# Altium PCB RFC_MB.PcbDoc (part 32 of 37) (continued)
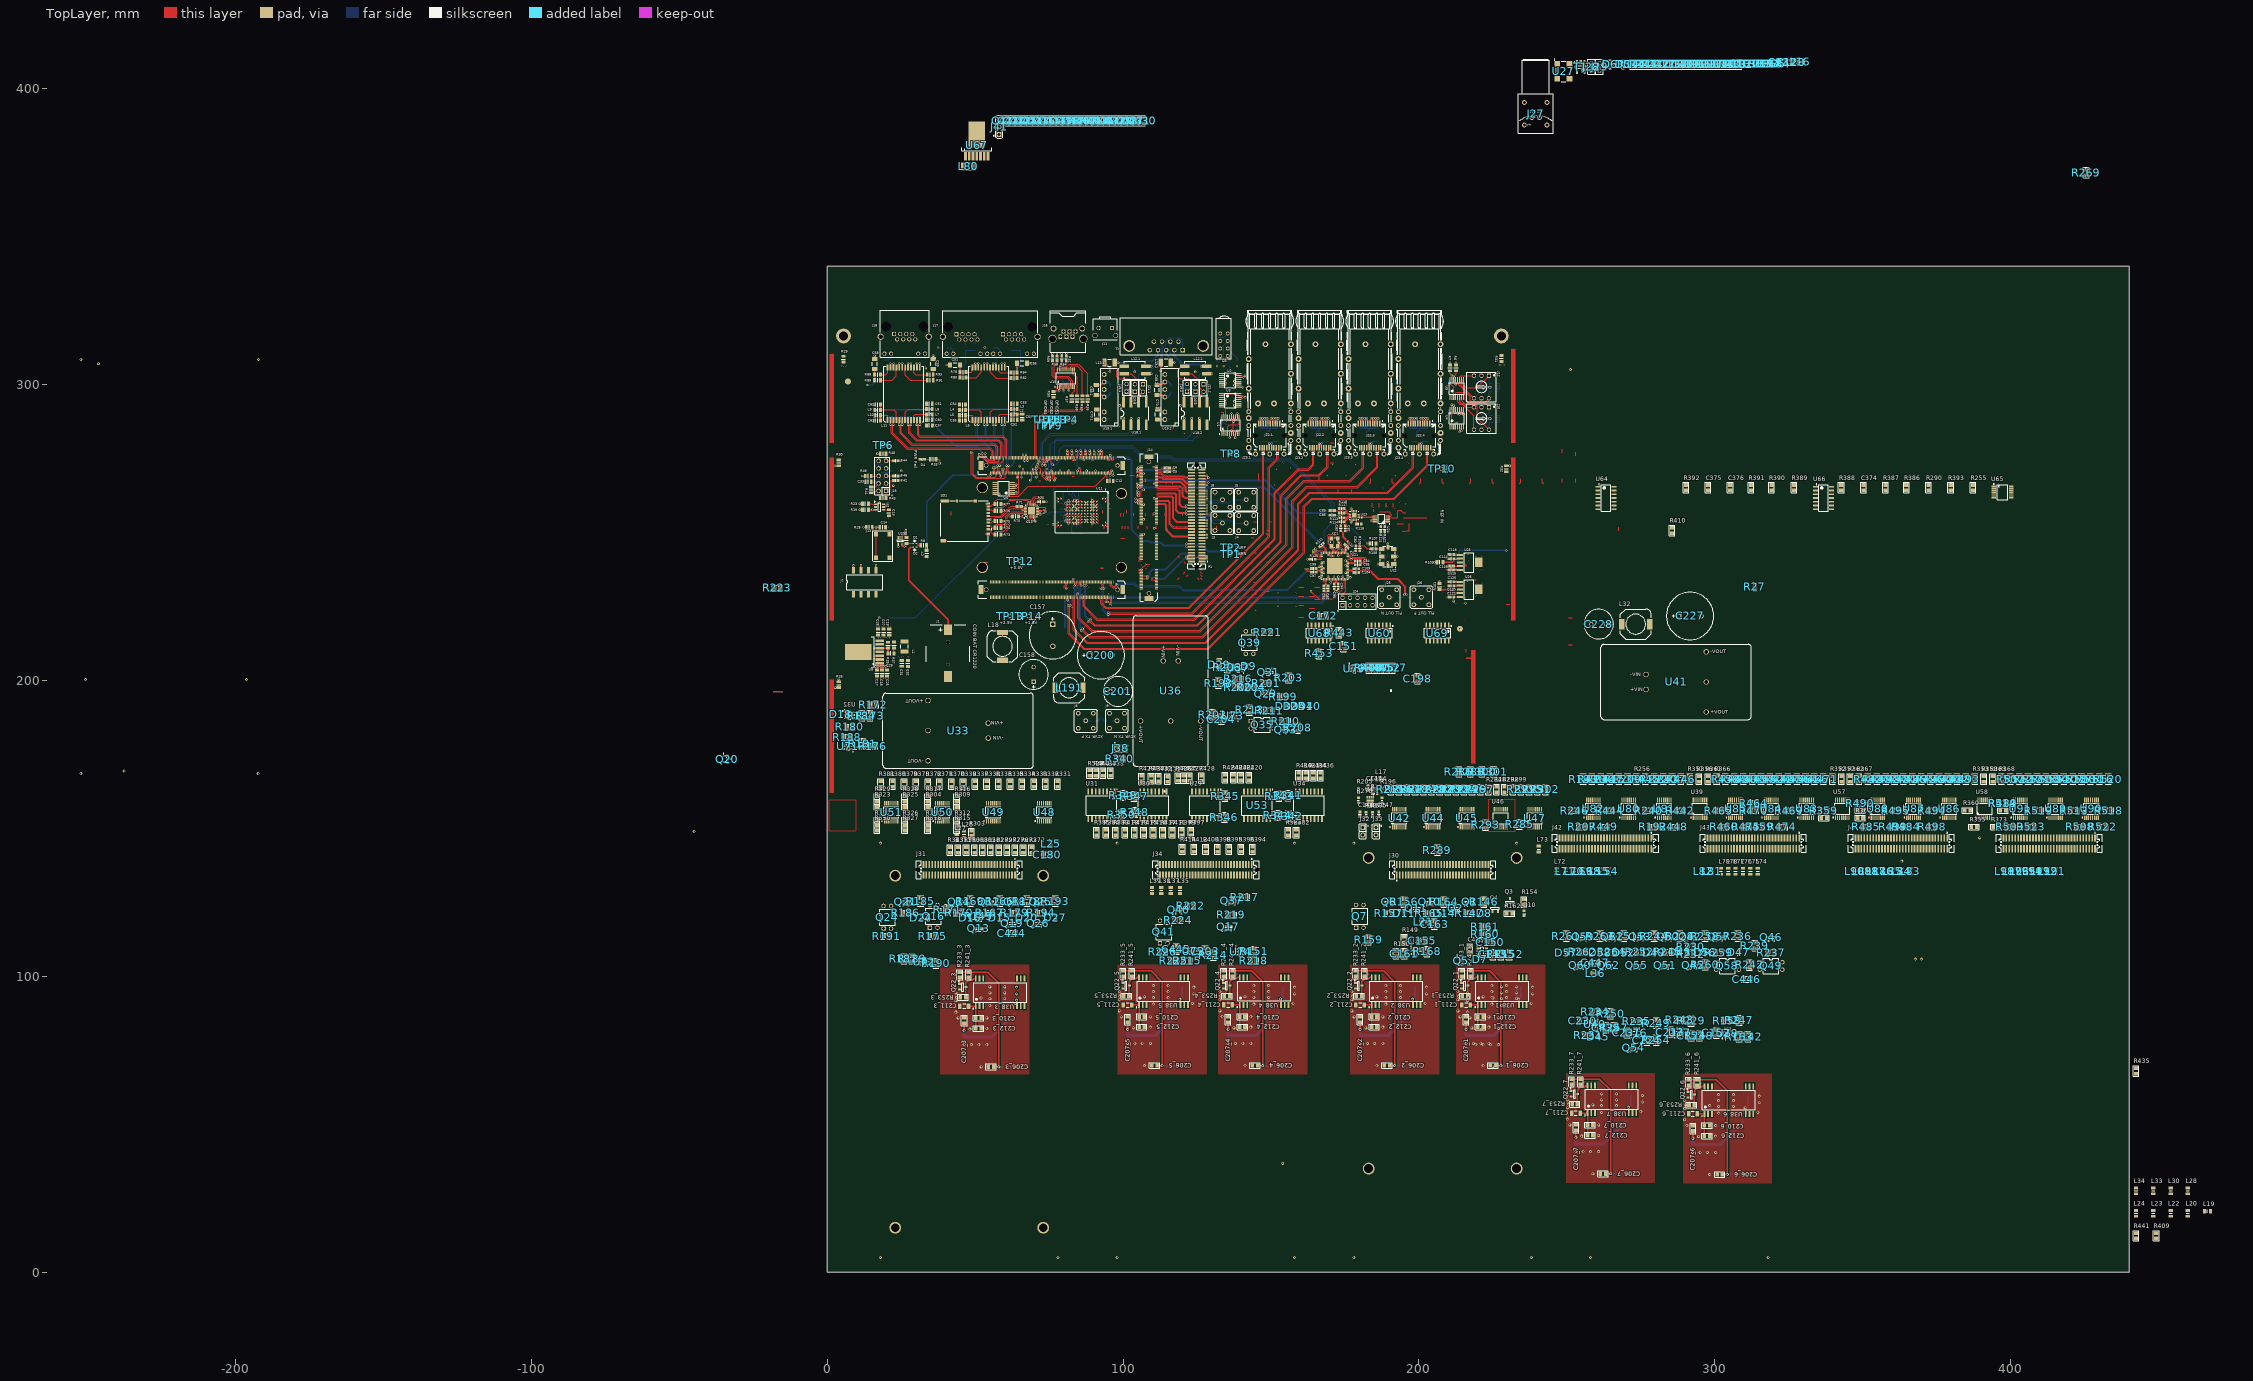
[diagram p0: TopLayer view]
## Components (designator, comment, footprint, x,y, rotation, side; value= is the part's Value field where it differs from the comment) (continued)
R428 "DNP" SMD0805RES 126.502,165.944 r90 top
R429 "DNP" SMD0805RES 106.252,165.848 r90 top
R430 "DNP" SMD0805RES 109.502,165.848 r90 top
R431 "DNP" SMD0805RES 112.002,165.848 r90 top
R432 "DNP" SMD0805RES 114.998,167.602 r270 top
R433 "DNP" SMD0805RES 95.752,167.648 r90 top
R434 "DNP" SMD0805RES 164.248,168.852 r270 top
R435 "1k" SMD0805RES 442.349,66.973 r90 top
R436 "DNP" SMD0805RES 166.748,168.852 r270 top
R437 "120" SMD0805RES 285.587,165.648 r90 top
R438 "120" SMD0805RES 258.51,165.648 r90 top
R439 "DNP" SMD0805RES 93.252,167.648 r90 top
R440 "DNP" SMD0805RES 90.752,167.648 r90 top
R441 "10k" SMD0805RES 442.349,11.273 r90 top
R442 "10k" SMD0805RES 289.352,156.002 r180 top
R443 "100k" SMD0805RES 172.998,217.152 r270 top
R444 "10k" SMD0805RES 265.402,156.002 r180 top
R445 "120" SMD0805RES 276.561,165.648 r90 top
R446 "120" SMD0805RES 288.595,165.648 r90 top
R447 "120" SMD0805RES 264.527,165.648 r90 top
R448 "10k" SMD0805RES 287.152,150.502 r180 top
R449 "10k" SMD0805RES 263.502,150.502 r180 top
R450 "0" SMD0805RES 263.398,153.502 r0 bottom
R451 "0" SMD0805RES 263.398,156.002 r0 bottom
R452 "10k" SMD0805RES 189.048,205.198 r270 top
R453 "1k" SMD0805RES 166.248,210.102 r270 top
R454 "0" SMD0805RES 253.602,155.998 r180 bottom
R455 "0" SMD0805RES 251.598,153.502 r0 bottom
R456 "120" SMD0805RES 327.705,165.648 r90 top
R457 "120" SMD0805RES 315.671,165.648 r90 top
R458 "120" SMD0805RES 303.637,165.648 r90 top
R459 "10k" SMD0805RES 314.098,150.498 r0 top
R460 "10k" SMD0805RES 302.148,150.498 r0 top
R461 "120" SMD0805RES 330.714,165.648 r90 top
R462 "120" SMD0805RES 318.676,167.652 r270 top
R463 "120" SMD0805RES 306.646,165.648 r90 top
R464 "10k" SMD0805RES 312.098,158.498 r0 top
R465 "10k" SMD0805RES 300.348,156 r0 top
R466 "120" SMD0805RES 333.722,165.648 r90 top
R467 "120" SMD0805RES 324.697,165.648 r90 top
R468 "120" SMD0805RES 309.654,165.648 r90 top
R469 "10k" SMD0805RES 326.102,156.002 r180 top
R470 "10k" SMD0805RES 314.102,156.002 r180 top
R471 "120" SMD0805RES 336.731,165.648 r90 top
R472 "120" SMD0805RES 321.688,165.648 r90 top
R473 "120" SMD0805RES 312.663,165.648 r90 top
R474 "10k" SMD0805RES 323.852,150.502 r180 top
R475 "10k" SMD0805RES 311.652,150.502 r180 top
R476 "0" SMD0805RES 312.098,153.502 r0 bottom
R477 "0" SMD0805RES 312.098,156.002 r0 bottom
R478 "0" SMD0805RES 302.352,155.998 r180 bottom
R479 "0" SMD0805RES 300.348,153.502 r0 bottom
R480 "120" SMD0805RES 375.841,165.648 r90 top
R481 "120" SMD0805RES 363.807,165.648 r90 top
R482 "120" SMD0805RES 351.773,165.648 r90 top
R483 "120" SMD0805RES 378.849,165.648 r90 top
R484 "10k" SMD0805RES 363.598,150.498 r0 top
R485 "10k" SMD0805RES 350.148,150.498 r0 top
R486 "120" SMD0805RES 366.815,165.648 r90 top
R487 "120" SMD0805RES 354.781,165.648 r90 top
R488 "120" SMD0805RES 381.858,165.648 r90 top
R489 "10k" SMD0805RES 396.398,158.498 r0 top
R490 "10k" SMD0805RES 348.148,158.498 r0 top
R491 "120" SMD0805RES 369.824,165.648 r90 top
R492 "120" SMD0805RES 357.79,165.648 r90 top
R493 "120" SMD0805RES 384.866,165.648 r90 top
R494 "10k" SMD0805RES 374.402,156.002 r180 top
R495 "10k" SMD0805RES 362.152,156.002 r180 top
R496 "120" SMD0805RES 372.832,165.648 r90 top
R497 "120" SMD0805RES 360.798,165.648 r90 top
R498 "10k" SMD0805RES 374.402,150.502 r180 top
R499 "10k" SMD0805RES 361.352,150.502 r180 top
R500 "0" SMD0805RES 360.148,153.502 r0 bottom
R501 "0" SMD0805RES 360.148,156.002 r0 bottom
R502 "0" SMD0805RES 350.152,158.498 r180 bottom
R503 "0" SMD0805RES 350.148,150.502 r0 bottom
R504 "120" SMD0805RES 414.951,165.648 r90 top
R505 "120" SMD0805RES 411.942,165.648 r90 top
R506 "120" SMD0805RES 423.976,165.648 r90 top
R507 "120" SMD0805RES 399.908,165.648 r90 top
R508 "10k" SMD0805RES 422.398,150.498 r0 top
R509 "10k" SMD0805RES 398.898,150.498 r0 top
R510 "120" SMD0805RES 417.959,165.648 r90 top
R511 "120" SMD0805RES 426.985,165.648 r90 top
R512 "120" SMD0805RES 402.917,165.648 r90 top
R513 "10k" SMD0805RES 420.398,155.998 r0 top
R514 "10k" SMD0805RES 396.348,158.498 r0 top
R515 "120" SMD0805RES 420.968,165.648 r90 top
R516 "120" SMD0805RES 429.993,165.648 r90 top
R517 "120" SMD0805RES 405.925,165.648 r90 top
R518 "10k" SMD0805RES 434.102,156.002 r180 top
R519 "10k" SMD0805RES 410.402,156.002 r180 top
R520 "120" SMD0805RES 433.002,165.648 r90 top
R521 "120" SMD0805RES 408.934,165.648 r90 top
R522 "10k" SMD0805RES 432.152,150.502 r180 top
R523 "10k" SMD0805RES 407.902,150.502 r180 top
R524 "0" SMD0805RES 408.398,153.502 r0 bottom
R525 "0" SMD0805RES 408.398,156.002 r0 bottom
R526 "0" SMD0805RES 398.352,158.498 r180 bottom
R527 "0" SMD0805RES 396.348,153.502 r0 bottom
R528 "DNP" SMD0805RES 88.752,167.648 r90 top
SD1 "DM3AT-SF-PEJM5" SD_HRS-DM3AT-8_V 46.825,253.925 r270 top
T1 "TC1-1T+" XFMR_MINI-CIRCUITS_AT224 254.675,407.306 r0 top value=1:1
TP1 "test point" TEST_POINT 136.3,242.675 r0 top
TP2 "test point" TEST_POINT 136.3,244.775 r0 top
TP3 "test point" TEST_POINT 77.725,288 r90 top
TP4 "test point" TEST_POINT 81.425,288 r90 top
TP5 "test point" TEST_POINT 75.8,288 r90 top
TP6 "test point" TEST_POINT 18.975,279.4 r90 top
TP7 "test point" TEST_POINT 73.625,286.075 r90 top
TP8 "test point" TEST_POINT 136.35,276.625 r90 top
TP9 "test point" TEST_POINT 76.05,286.075 r90 top
TP10 "test point" TEST_POINT 207.625,271.475 r90 top
TP11 "test point" TEST_POINT 73.875,288 r90 top
TP12 "test point" TEST_POINT 65.275,240.2 r90 top
TP13 "test point" TEST_POINT 61.8,221.65 r90 top
TP14 "test point" TEST_POINT 68.15,221.65 r0 top
U1 "PCA9544APW" SOP65P640X110-20N 136.325,286.175 r90 top
U2 "PCA9534PW" SOP65P640X110-16N 136.175,301.375 r0 top
U3 "PCA9534PW" SOP65P640X110-16N 136.175,294.6 r0 top
U4 "PCA9534PW" SOP65P640X110-16N 212.725,288.6 r90 top
U5 "PCA9534PW" SOP65P640X110-16N 212.725,298.625 r90 top
U6 "SN74LVC04APW" SOP65P640X110-14N 59.64,264.84 r180 top
U7 "TPS3808G33QDBVRQ1" SOT95P280X100-6N 17.685,258.585 r0 top
U8 "LMZ10504EXT" TO-PMOD7 11.71,209.61 r180 top
U9 "IP4220CZ6" SOT95P285X110-6N 14.135,266.56 r0 bottom
U10 "ADM3222ARUZ" SOP65P640X110-20N 80.71,302.11 r90 top value=ADM3222
U11 "MTFC8GACAEDQ-AAT TR" BGA100C100P10X17_1400X1800X120 94.05,261.375 r270 top
U12 "TXS02612RTWR" QFN50P400X400X80-25N-S245 69.025,257.3 r90 top
U13 "IP4220CZ6" SOT95P285X110-6N 52.075,288.285 r0 bottom
U14 "IP4220CZ6" SOT95P285X110-6N 58.015,288.285 r0 bottom
U15 "IP4220CZ6" SOT95P285X110-6N 23.38,288.285 r0 bottom
U16 "IP4220CZ6" SOT95P285X110-6N 29.32,288.285 r0 bottom
U17.1 "SM712" SOT95P240X110-3N 104.15,294.025 r270 bottom (schematic designator U17)
U17.2 "SM712" SOT95P240X110-3N 124.625,294.025 r270 bottom (schematic designator U17)
U18.1 "ISO1050DU" SOP8 104,290.175 r90 top (schematic designator U18)
U18.2 "ISO1050DU" SOP8 124.475,290.175 r90 top (schematic designator U18)
U19.1 "AM1D-0505S-N" SIP-7 93.624,288.135 r90 top (schematic designator U19)
U19.2 "AM1D-0505S-N" SIP-7 114.099,288.135 r90 top (schematic designator U19)
U20 "TPS79733DCK" SOT65P210X110-5N 24.65,247.225 r270 top
U21 "Si5395A-A-GM" QFN50P900X900X100-65N-S530 171.525,238.675 r270 top value=Si5395A
U22 "570CBC000306DG" FP-57x-MFG 189.45,241.85 r180 top value=Si570
U23 "ADCLK925BCPZ" QFN50P300X300X100-17N-S150 178.15,255.725 r180 top
U24 "ADCMP553BRMZ" SOP65P490X110-8N 187.3,254.55 r180 top
U25 "REG104GA-3.3" SOT223 216.875,239.883 r0 top
U26 "REG104GA-A" SOT223 216.875,230.725 r0 top
U27 "CB3LV-6C-25M" OSCSC508P500X700X160-4N 248.825,405.806 r0 top value=-6C-25M
U28 "TPS3808ADJ" SOT95P270X145-6N 199,108.45 r0 top value=ADJ
U29 "ISO7240" SOIC127P1030X265-16N 127.74,157.75 r270 top
U30 "ISO7240" SOIC127P1030X265-16N 110.207,157.75 r90 top
U31 "ISO7240" SOIC127P1030X265-16N 92.675,157.75 r270 top
U32 "TPS3808ADJ" SOT95P270X145-6N 7.6,188.25 r0 top value=ADJ
U33 "AM15E-1218DZ" AM15E 44.25,183 r180 top locked value=1218DZ
U34 "ISO7240" SOIC127P1030X265-16N 162.805,157.75 r90 top
U36 "AM15E-1218DZ" AM15E 116.09,196.41 r270 top locked value=1218DZ
U37 "TPS3808ADJ" SOT95P270X145-6N 139,204.25 r180 top value=ADJ
U38_1 "DCP020507U" SOIC127P1033X265-12_28N 228.105,94.95 r90 top value=0507U (schematic designator U38)
U38_2 "DCP020507U" SOIC127P1033X265-12_28N 192.255,94.95 r90 top value=0507U (schematic designator U38)
U38_3 "DCP020507U" SOIC127P1033X265-12_28N 58.455,94.55 r90 top value=0507U (schematic designator U38)
U38_4 "DCP020507U" SOIC127P1033X265-12_28N 147.654,94.973 r90 top value=0507U (schematic designator U38)
U38_5 "DCP020507U" SOIC127P1033X265-12_28N 113.655,94.95 r90 top value=0507U (schematic designator U38)
U38_6 "DCP020507U" SOIC127P1033X265-12_28N 304.705,58.15 r90 top value=0507U (schematic designator U38)
U38_7 "DCP020507U" SOIC127P1033X265-12_28N 265.205,58.4 r90 top value=0507U (schematic designator U38)
U39 "SN74AVC4T774" TSSOP-16 294.948,156.56 r90 top
U40 "TPS3808ADJ" SOT95P270X145-6N 259.404,83.75 r90 top value=ADJ
U41 "AM15E-1218DZ" AM15E 286.91,199.46 r0 top value=1218DZ
U42 "SN74AVC4T774" TSSOP-16 193.275,153.425 r90 top
U43 "LTC6957IDD-2" DFN13-045 183.5,159 r270 top
U44 "SN74AVC4T774" TSSOP-16 204.745,153.425 r90 top
U45 "SN74AVC4T774" TSSOP-16 216.216,153.425 r90 top
U46 "SN74AVC4T774" TSSOP-16 227.686,153.425 r90 top
U47 "SN74AVC4T774" TSSOP-16 239.156,153.425 r90 top
U48 "SN74AVC4T774" TSSOP-16 73.4,155.4 r90 top
U49 "SN74AVC4T774" TSSOP-16 56.133,155.4 r90 top
U50 "SN74AVC4T774" TSSOP-16 38.867,155.4 r90 top
U51 "SN74AVC4T774" TSSOP-16 21.6,155.4 r90 top
U53 "ISO7240" SOIC127P1030X265-16N 145.273,157.75 r270 top
U57 "SN74AVC4T774" TSSOP-16 343.067,156.56 r90 top
U58 "SN74AVC4T774" TSSOP-16 391.186,156.56 r90 top
U60 "74HC164D" SOIC127P600X175-14N 186.5,216 r270 top
U64 "74HC00D" SOIC127P600X175-14N 263.198,261.623 r0 top
U65 "SN74LV4T125PWR" SOP65P640X120-14N 397.198,263.623 r0 top
U66 "74HC00D" SOIC127P600X175-14N 336.698,261.623 r0 top
U67 "LMZ10504EXT" TO-PMOD7 50.525,383.171 r90 top
U68 "74HC14D" SOIC127P600X175-14N 166.25,216 r270 top
U69 "74HC164D" SOIC127P600X175-14N 206.25,216 r270 top
U70 "TPS3808ADJ" SOT95P270X145-6N 221.4,108.45 r0 top value=ADJ
U71 "TPS3808ADJ" SOT95P270X145-6N 7,177.75 r180 top value=ADJ
U72 "TPS3808ADJ" SOT95P270X145-6N 32.8,104.9 r0 top value=ADJ
U73 "TPS3808ADJ" SOT95P270X145-6N 137.1,188.05 r180 top value=ADJ
U74 "TPS3808ADJ" SOT95P270X145-6N 139.75,108.25 r0 top value=ADJ
U75 "TPS3808ADJ" SOT95P270X145-6N 123.75,108.5 r0 top value=ADJ
U76 "TPS3808ADJ" SOT95P270X145-6N 273.504,80.929 r90 top value=ADJ
U77 "TPS3808ADJ" SOT95P270X145-6N 288.171,80.971 r90 top value=ADJ
U78 "TPS3808ADJ" SOT95P270X145-6N 304.25,80.75 r90 top value=ADJ
U79 "TPS3808ADJ" SOT95P270X145-6N 178.15,204 r0 top value=ADJ
U80 "SN74AVC4T774" TSSOP-16 270.889,156.56 r90 top
U81 "SN74AVC4T774" TSSOP-16 282.919,156.56 r90 top
U82 "SN74AVC4T774" TSSOP-16 258.859,156.56 r90 top
U83 "SN74AVC4T774" TSSOP-16 331.037,156.56 r90 top
U84 "SN74AVC4T774" TSSOP-16 319.008,156.56 r90 top
U85 "SN74AVC4T774" TSSOP-16 306.978,156.56 r90 top
U86 "SN74AVC4T774" TSSOP-16 379.156,156.56 r90 top
U87 "SN74AVC4T774" TSSOP-16 367.126,156.56 r90 top
U88 "SN74AVC4T774" TSSOP-16 355.097,156.56 r90 top
U89 "SN74AVC4T774" TSSOP-16 415.245,156.56 r90 top
U90 "SN74AVC4T774" TSSOP-16 427.275,156.56 r90 top
U91 "SN74AVC4T774" TSSOP-16 403.216,156.56 r90 top
XC1 "CX3225SB48000D0WPSC1" SMD3225_4PIN_XTAL 171.425,246.6 r90 top value="48 MHz"

## Footprints (in the part's own frame and the unit in brackets; to place one, negate y for a bottom-side part, rotate by r counter-clockwise, add the part's x,y. Pads: shape width x height; smd on the part's side, far side on the other; paste and mask are expansions set on the pad)
0508 [mm]
  rect 0.6x2.2 smd: 1(0,0) 2(1,0)
  silkscreen extent -0.5,-1.3 1.5,1.3
AM15E [mm] "TEN 15 Series , Body 50.8x25.4mm, Height 10.7mm"
  round 1.8 hole 1.3: 1(-10.16,-2.54) 2(-10.16,2.54) 3(10.16,-10.16) 4(10.16,0) 5(10.16,10.16)
  silkscreen extent -25.4,-12.7 25.4,12.7, body extent -25.4,-12.7 25.4,12.7, height 10.2
AMPH-RJHSE-5381-02_V [mm]
  rect 1.4x1.4 hole 0.9 mask+0.102: 1A(3.56,-0.89) 1B(19.31,-0.89)
  round 1.4 hole 0.9 mask+0.102: 2A(2.54,0.89) 2B(18.29,0.89) 3A(1.52,-0.89) 3B(17.27,-0.89) 4A(0.5,0.89) 4B(16.25,0.89) 5A(-0.52,-0.89) 5B(15.23,-0.89) 6A(-1.54,0.89) 6B(14.21,0.89) 7A(-2.56,-0.89) 7B(13.19,-0.89) 8A(-3.58,0.89) 8B(12.17,0.89) 9A(6.86,5.72) 9B(22.61,5.72) 10A(4.57,5.72) 10B(20.32,5.72) 11A(-4.57,5.72) 11B(11.18,5.72) 12A(-6.86,5.72) 12B(8.89,5.72)
  round 0 hole 3.3 unplated mask+0.102: MH1(-6.35,-3.43) MH2(22.1,-3.43)
  round 2.1 hole 1.6: S1(-8.13,0) S2(23.88,0)
  silkscreen extent -8.25,-8.89 24,6.86, body extent -9.87,-9.29 25.58,6.84, height 15.16
AMPH-RJHSE-5381_V [mm]
  rect 1.4x1.4 hole 0.9 mask+0.102: 1(3.56,-0.89)
  round 1.4 hole 0.9 mask+0.102: 2(2.54,0.89) 3(1.52,-0.89) 4(0.5,0.89) 5(-0.52,-0.89) 6(-1.54,0.89) 7(-2.56,-0.89) 8(-3.58,0.89) 9(6.86,5.72) 10(4.57,5.72) 11(-4.57,5.72) 12(-6.86,5.72)
  round 0 hole 3.3 unplated mask+0.102: MH1(-6.35,-3.43) MH2(6.35,-3.43)
  round 2.1 hole 1.6: S1(-8.13,0) S2(8.13,0)
  silkscreen extent -8.25,-8.89 8.26,6.86, body extent -8.42,-9.14 8.42,7.06, height 14.89
BAT_CR1220 [mm] "2 Contacts - Pitch 2.54mm - Single Row Straight Strip Male Header"
  round 1 hole 1: 0(-3.5,0)
  round 1.3 hole 1.3: 0(4,0)
  rect 3.54x2.6 smd: 1(8.23,0)
  rect 3.66x2.6 smd: 2(-7.57,0)
  silkscreen extent -2.54,-7.27 9.84,7.39, body extent -8.9,-7.37 9.9,7.37, height 6.03
BGA100C100P10X17_1400X1800X120 [mm] "BGA 100 ball for e*MMC"
  round 0.5 smd: A1(0,0) A2(1,0) A9(8,0) A10(9,0) B1(0,-1) B10(9,-1) D2(1,-3) D3(2,-3) D4(3,-3) D5(4,-3) D6(5,-3) D7(6,-3) D8(7,-3) D9(8,-3) E2(1,-4) E3(2,-4) E4(3,-4) E5(4,-4) E6(5,-4) E7(6,-4) E8(7,-4) E9(8,-4) F2(1,-5) F3(2,-5) F4(3,-5) F5(4,-5) F6(5,-5) F7(6,-5) F8(7,-5) F9(8,-5) G2(1,-6) G3(2,-6) G4(3,-6) G5(4,-6) G6(5,-6) G7(6,-6) G8(7,-6) G9(8,-6) H2(1,-7) H3(2,-7) H4(3,-7) H5(4,-7) H6(5,-7) H7(6,-7) H8(7,-7) H9(8,-7) J2(1,-8) J3(2,-8) J4(3,-8) J5(4,-8) J6(5,-8) J7(6,-8) J8(7,-8) J9(8,-8) K2(1,-9) K3(2,-9) K4(3,-9) K5(4,-9) K6(5,-9) K7(6,-9) K8(7,-9) K9(8,-9) L2(1,-10) L3(2,-10) L4(3,-10) L5(4,-10) L6(5,-10) L7(6,-10) L8(7,-10) L9(8,-10) M2(1,-11) M3(2,-11) M4(3,-11) M5(4,-11) M6(5,-11) M7(6,-11) M8(7,-11) M9(8,-11) N2(1,-12) N3(2,-12) N4(3,-12) N5(4,-12) N6(5,-12) N7(6,-12) N8(7,-12) N9(8,-12) P2(1,-13) P3(2,-13) P4(3,-13) P5(4,-13) P6(5,-13) P7(6,-13) P8(7,-13) P9(8,-13) T1(0,-15) T10(9,-15) U1(0,-16) U2(1,-16) U9(8,-16) U10(9,-16)
  silkscreen extent -3.22,-17 11.5,1
CAPC1206 [mm]
  rect 1.2x1.8 smd: 1(-1.45,0) 2(1.45,0)
  silkscreen extent -0.5,-0.8 0.5,0.8, body extent -1.7,-0.9 1.7,0.9, height 0.7
CAPC1608N [mm]
  rect 0.95x0.95 smd: 1(-0.8,0) 2(0.8,0)
  silkscreen extent 0,-0.48 0,0.47, body extent -0.87,-0.47 0.88,0.48, height 0.85
CAPC1608X87N [mm]
  rect 0.95x1 smd: 1(-0.8,0) 2(0.8,0)
  silkscreen extent 0,-0.5 0,0.5, body extent -0.87,-0.48 0.87,0.48, height 0.87
CAPC2012N [mm] "Chip Capacitor, Body 2.0x1.25mm (0805), IPC Medium Density"
  rect 0.95x1.4 smd: 1(-1,0) 2(1,0)
  silkscreen extent 0,-0.7 0,0.7, body extent -1.05,-0.67 1.05,0.68, height 0.9
CAPC3216N [mm] "Chip Capacitor, Body 3.2x1.6mm (1206), IPC Medium Density"
  rect 1.4x1.8 smd: 1(-1.7,0) 2(1.7,0)
  silkscreen extent -0.6,-0.8 0.6,0.8, body extent -1.7,-0.9 1.7,0.9, height 1.52
CAPPR500-1000X1250 [mm] "Capacitor, Radial, Pin spacing 5.0mm - Body Diameter 10.0mm X Body Height 12.5mm"
  rect 1.5x1.5 hole 0.9: 1(-2.5,0)
  round 1.5 hole 0.9: 2(2.5,0)
  silkscreen extent -5,-5 5,5, body extent -5.01,-5.01 4.99,4.96, height 12.5
CAPPR750-1600X2000 [mm] "Capacitor, Radial, Pin spacing 7.5mm - Body Diameter 16.0mm X Body  Height 20.0mm"
  rect 1.8x1.8 hole 1.1: 1(-3.75,0)
  round 1.8 hole 1.1: 2(3.75,0)
  silkscreen extent -8,-8 8,8, body extent -8,-8 8,8, height 20
CAY16-J4 [mm]
  rect 0.9x0.45 smd: 1(0,0) 2(0,-0.8) 3(0,-1.6) 4(0,-2.4) 5(1.7,-2.4) 6(1.7,-1.6) 7(1.7,-0.8) 8(1.7,0)
  silkscreen extent 0.68,-2.8 1.03,0.4
DFN13-045 [mm] "SON, 0.45mm Pitch; 12 Pin, 3.00mm W X 3.00mm L X 0.80mm H Body (w/Thermal tab 1.75 x 2.48mm), IPC Medium Density"
  rect 0.8x0.25 smd: 1(-1.5,1.125) 2(-1.5,0.675) 3(-1.5,0.225) 4(-1.5,-0.225) 5(-1.5,-0.675) 6(-1.5,-1.125) 7(1.5,-1.125) 8(1.5,-0.675) 9(1.5,-0.225) 10(1.5,0.225) 11(1.5,0.675) 12(1.5,1.125)
  rect 1.5x2.45 smd paste-0.37: 13(0,0)
  silkscreen extent -2.52,1 -2.28,1.25, body extent -1.5,-1.5 1.5,1.5, height 0.8
DIOMELF3516N [mm] "SOD80, Diode, MELF; 3.50mm L X 1.65mm Dia, IPC Medium Density"
  rect 1.2x1.85 smd: 1(-1.65,0) 2(1.65,0)
  silkscreen extent -0.7,-0.85 0.7,0.85, body extent -1.85,-0.8 1.65,0.9, height 1.7
DIP4-300 [mm] "DIP 4 Leads, Row Spacing 7.62 mm; Pitch 2.54 mm"
  rect 1.5x1.5 hole 0.9: 1(-3.81,1.27)
  round 1.5 hole 0.9: 2(-3.81,-1.27) 3(3.81,-1.27) 4(3.81,1.27)
  silkscreen extent -2.65,-2.61 2.65,2.61, body extent -3.93,-2.54 3.94,2.54, height 5.33
DIPSW4-A6SN8 [mm]
  rect 2.2x1.1 smd: 1(0,0) 2(0,-2.54) 3(0,-5.08) 4(0,-7.62) 5(8.2,-7.62) 6(8.2,-5.08) 7(8.2,-2.54) 8(8.2,0)
  silkscreen extent 1.59,-9.95 6.63,2.25, body extent -0.55,-9.95 8.75,2.15, height 5.5
DRB-9MA [mm]
  rect 1.5x1.5 hole 1: 1(0,0)
  round 1.5 hole 1: 2(-2.77,0) 3(-5.54,0) 4(-8.31,0) 5(-11.08,0) 6(-1.385,2.84) 7(-4.155,2.84) 8(-6.925,2.84) 9(-9.695,2.84)
  round 4 hole 3: S1(-18.04,1.42) S2(6.96,1.42)
  silkscreen extent -21.05,-1.6 9.95,10.92, body extent -21.16,-1.77 10.15,17.03, height 12.55
FP-57x-MFG [mm]
  rect 1.8x1.5 smd paste+0 mask+0: 1(-2,2.54) 2(-2,0) 3(-2,-2.54) 4(2,-2.54) 5(2,0) 6(2,2.54)
  rect 1x1.5 smd paste+0 mask+0: 7(0,3.1) 8(0,-3.1)
  silkscreen extent -2.73,-3.5 2.5,3.82, body extent -2.25,-2.68 2.25,2.68, height 0.25
IND_3225_MURATA_LQH_N [mm] "SMD Inductor, EIA 1206, Metric 3225,  Body Width 1.55mm, Body Lenght 3.2mm, Height 2.5mm"
  rect 1.4x2.7 smd: 1(-1.7,0) 2(1.7,0)
  silkscreen extent -0.6,-1.25 0.6,1.25, body extent -1.75,-1.25 1.75,1.25, height 2.2
IND_Bourns_PM5022S [mm] "SMD Power Choke, Body Width 15mm Body Lenght 15mm Height 7.8mm, WURTH WE-PD 4 Serie Type XL"
  rect 4x9 smd: 1(-8.75,0) 2(8.75,0)
  silkscreen extent -6.35,-7.5 6.35,7.5, body extent -11,-7.5 11,7.5, height 7
IND_COILCRAFT_MSS1038 [mm] "SMD Inductor  Body Width 10mm Body Lenght 10.2mm Height 4mm"
  rect 1.78x3.56 smd: 1(-4.7,0) 2(4.7,0)
  silkscreen extent -5.25,-5.1 5.25,5.1, body extent -5.25,-5.1 5.25,5.1, height 4
INDC2012N [mm] "Chip Inductor, EIA 0805, Metric 2012, Body 2.0x1.2mm, IPC Medium Density"
  rect 0.95x1.4 smd: 1(-1,0) 2(1,0)
  silkscreen extent 0,-0.7 0,0.7, body extent -1,-0.62 1,0.63, height 1.1
LED0603 [mm]
  rect 0.8x1 smd: 1(-0.6,0) 2(1.05,0)
  silkscreen extent 0,-0.5 0,0.5, body extent -0.67,-0.48 1.22,0.48, height 0.95
LED_H485C [mm] "Quad Led Holder, Led 1.8mm dia"
  round 1.3 hole 0.8: 1(3.82,-5.08) 2(1.28,-5.08) 3(3.825,-7.62) 4(1.285,-7.62) 5(3.83,-10.16) 6(1.29,-10.16) 7(3.835,-12.7) 8(1.295,-12.7)
  silkscreen extent 0,-13.6 5.1,0.76, body extent 0,-13.6 5.1,0, height 11.3
LEDC1608N [mm] "Chip Capacitor, Body 1.6x0.8mm (0603), IPC Medium Density"
  rect 0.95x0.95 smd: 1(-0.8,0) 2(0.8,0)
  silkscreen extent -0.1,-0.42 0.08,0.42, body extent -0.83,-0.35 0.83,0.38, height 0.68
LEMO_EPA.00.250.NTN [mm] "50 Ohm size 00 Coaxial Straight socket"
  round 1.6 hole 0.9: 1(0,0) 2(-2.54,2.54) 2(-2.54,-2.54) 2(2.54,2.54) 2(2.54,-2.54)
  silkscreen extent -3.81,-3.81 3.81,3.81, body extent -3.5,-3.5 3.5,3.5, height 14
LEMO_EPG.0B.302.HLN [mm] "Elbow Receptacle (90°) With 2 Female Contacts and Key (G) For PCB"
  round 1.6 hole 0.9: 1(0,-1.27) 2(0,1.27) 3(-2.54,3.81) 3(-2.54,-3.81) 3(5.08,-3.81) 3(5.08,3.81)
  silkscreen extent -5.32,-5.85 19.68,5.85, body extent -5.32,-5.85 19.68,5.85, height 12.7
Mercury_SA2p [mm]
  rect 3.1x1.6 smd: 0(4.2,50.95) 0(4.2,3.05)
  round 1.5 hole 1.1: 0(4.2,49.2) 0(14.8,48) 0(14.8,6)
  round 1.5 hole 1.2: 0(4.2,4.8) 0(59.2,48) 0(59.2,6)
  rect 1.6x3.1 smd: 0(13.05,48) 0(13.05,6) 0(60.95,48) 0(60.95,6)
  round 3.8 hole 3.2: 0(13.5,40.5) 0(13.5,15.5) 0(60.5,13.5) 0(60.5,40.5)
  rect 0.25x1.1 smd: A1(16.25,3.4) A2(16.25,8.6) A3(16.75,3.4) A4(16.75,8.6) A5(17.25,3.4) A6(17.25,8.6) A7(17.75,3.4) A8(17.75,8.6) A9(18.25,3.4) A10(18.25,8.6) A11(18.75,3.4) A12(18.75,8.6) A13(19.25,3.4) A14(19.25,8.6) A15(19.75,3.4) A16(19.75,8.6) A17(20.25,3.4) A18(20.25,8.6) A19(20.75,3.4) A20(20.75,8.6) A21(21.25,3.4) A22(21.25,8.6) A23(21.75,3.4) A24(21.75,8.6) A25(22.25,3.4) A26(22.25,8.6) A27(22.75,3.4) A28(22.75,8.6) A29(23.25,3.4) A30(23.25,8.6) A31(23.75,3.4) A32(23.75,8.6) A33(24.25,3.4) A34(24.25,8.6) A35(24.75,3.4) A36(24.75,8.6) A37(25.25,3.4) A38(25.25,8.6) A39(25.75,3.4) A40(25.75,8.6) A41(26.25,3.4) A42(26.25,8.6) A43(26.75,3.4) A44(26.75,8.6) A45(27.25,3.4) A46(27.25,8.6) A47(27.75,3.4) A48(27.75,8.6) A49(28.25,3.4) A50(28.25,8.6) A51(28.75,3.4) A52(28.75,8.6) A53(29.25,3.4) A54(29.25,8.6) A55(29.75,3.4) A56(29.75,8.6) A57(30.25,3.4) A58(30.25,8.6) A59(30.75,3.4) A60(30.75,8.6) A61(31.25,3.4) A62(31.25,8.6) A63(31.75,3.4) A64(31.75,8.6) A65(32.25,3.4) A66(32.25,8.6) A67(32.75,3.4) A68(32.75,8.6) A69(33.25,3.4) A70(33.25,8.6) A71(33.75,3.4) A72(33.75,8.6) A73(34.25,3.4) A74(34.25,8.6) A75(34.75,3.4) A76(34.75,8.6) A77(35.25,3.4) A78(35.25,8.6) A79(35.75,3.4) A80(35.75,8.6) A81(36.25,3.4) A82(36.25,8.6) A83(36.75,3.4) A84(36.75,8.6) A85(37.25,3.4) A86(37.25,8.6) A87(37.75,3.4) A88(37.75,8.6) A89(38.25,3.4) A90(38.25,8.6) A91(38.75,3.4) A92(38.75,8.6) A93(39.25,3.4) A94(39.25,8.6) A95(39.75,3.4) A96(39.75,8.6) A97(40.25,3.4) A98(40.25,8.6) A99(40.75,3.4) A100(40.75,8.6) A101(41.25,3.4) A102(41.25,8.6) A103(41.75,3.4) A104(41.75,8.6) A105(42.25,3.4) A106(42.25,8.6) A107(42.75,3.4) A108(42.75,8.6) A109(43.25,3.4) A110(43.25,8.6) A111(43.75,3.4) A112(43.75,8.6) A113(44.25,3.4) A114(44.25,8.6) A115(44.75,3.4) A116(44.75,8.6) A117(45.25,3.4) A118(45.25,8.6) A119(45.75,3.4) A120(45.75,8.6) A121(46.25,3.4) A122(46.25,8.6) A123(46.75,3.4) A124(46.75,8.6) A125(47.25,3.4) A126(47.25,8.6) A127(47.75,3.4) A128(47.75,8.6) A129(48.25,3.4) A130(48.25,8.6) A131(48.75,3.4) A132(48.75,8.6) A133(49.25,3.4) A134(49.25,8.6) A135(49.75,3.4) A136(49.75,8.6) A137(50.25,3.4) A138(50.25,8.6) A139(50.75,3.4) A140(50.75,8.6) A141(51.25,3.4) A142(51.25,8.6) A143(51.75,3.4) A144(51.75,8.6) A145(52.25,3.4) A146(52.25,8.6) A147(52.75,3.4) A148(52.75,8.6) A149(53.25,3.4) A150(53.25,8.6) A151(53.75,3.4) A152(53.75,8.6) A153(54.25,3.4) A154(54.25,8.6) A155(54.75,3.4) A156(54.75,8.6) A157(55.25,3.4) A158(55.25,8.6) A159(55.75,3.4) A160(55.75,8.6) A161(56.25,3.4) A162(56.25,8.6) A163(56.75,3.4) A164(56.75,8.6) A165(57.25,3.4) A166(57.25,8.6) A167(57.75,3.4) A168(57.75,8.6) B1(16.25,45.4) B2(16.25,50.6) B3(16.75,45.4) B4(16.75,50.6) B5(17.25,45.4) B6(17.25,50.6) B7(17.75,45.4) B8(17.75,50.6) B9(18.25,45.4) B10(18.25,50.6) B11(18.75,45.4) B12(18.75,50.6) B13(19.25,45.4) B14(19.25,50.6) B15(19.75,45.4) B16(19.75,50.6) B17(20.25,45.4) B18(20.25,50.6) B19(20.75,45.4) B20(20.75,50.6) B21(21.25,45.4) B22(21.25,50.6) B23(21.75,45.4) B24(21.75,50.6) B25(22.25,45.4) B26(22.25,50.6) B27(22.75,45.4) B28(22.75,50.6) B29(23.25,45.4) B30(23.25,50.6) B31(23.75,45.4) B32(23.75,50.6) B33(24.25,45.4) B34(24.25,50.6) B35(24.75,45.4) B36(24.75,50.6) B37(25.25,45.4) B38(25.25,50.6) B39(25.75,45.4) B40(25.75,50.6) B41(26.25,45.4) B42(26.25,50.6) B43(26.75,45.4) B44(26.75,50.6) B45(27.25,45.4) B46(27.25,50.6) B47(27.75,45.4) B48(27.75,50.6) B49(28.25,45.4) B50(28.25,50.6) B51(28.75,45.4) B52(28.75,50.6) B53(29.25,45.4) B54(29.25,50.6) B55(29.75,45.4) B56(29.75,50.6) B57(30.25,45.4) B58(30.25,50.6) B59(30.75,45.4) B60(30.75,50.6) B61(31.25,45.4) B62(31.25,50.6) B63(31.75,45.4) B64(31.75,50.6) B65(32.25,45.4) B66(32.25,50.6) B67(32.75,45.4) B68(32.75,50.6) B69(33.25,45.4) B70(33.25,50.6) B71(33.75,45.4) B72(33.75,50.6) B73(34.25,45.4) B74(34.25,50.6) B75(34.75,45.4) B76(34.75,50.6) B77(35.25,45.4) B78(35.25,50.6) B79(35.75,45.4) B80(35.75,50.6) B81(36.25,45.4) B82(36.25,50.6) B83(36.75,45.4) B84(36.75,50.6) B85(37.25,45.4) B86(37.25,50.6) B87(37.75,45.4) B88(37.75,50.6) B89(38.25,45.4) B90(38.25,50.6) B91(38.75,45.4) B92(38.75,50.6) B93(39.25,45.4) B94(39.25,50.6) B95(39.75,45.4) B96(39.75,50.6) B97(40.25,45.4) B98(40.25,50.6) B99(40.75,45.4) B100(40.75,50.6) B101(41.25,45.4) B102(41.25,50.6) B103(41.75,45.4) B104(41.75,50.6) B105(42.25,45.4) B106(42.25,50.6) B107(42.75,45.4) B108(42.75,50.6) B109(43.25,45.4) B110(43.25,50.6) B111(43.75,45.4) B112(43.75,50.6) B113(44.25,45.4) B114(44.25,50.6) B115(44.75,45.4) B116(44.75,50.6) B117(45.25,45.4) B118(45.25,50.6) B119(45.75,45.4) B120(45.75,50.6) B121(46.25,45.4) B122(46.25,50.6) B123(46.75,45.4) B124(46.75,50.6) B125(47.25,45.4) B126(47.25,50.6) B127(47.75,45.4) B128(47.75,50.6) B129(48.25,45.4) B130(48.25,50.6) B131(48.75,45.4) B132(48.75,50.6) B133(49.25,45.4) B134(49.25,50.6) B135(49.75,45.4) B136(49.75,50.6) B137(50.25,45.4) B138(50.25,50.6) B139(50.75,45.4) B140(50.75,50.6) B141(51.25,45.4) B142(51.25,50.6) B143(51.75,45.4) B144(51.75,50.6) B145(52.25,45.4) B146(52.25,50.6) B147(52.75,45.4) B148(52.75,50.6) B149(53.25,45.4) B150(53.25,50.6) B151(53.75,45.4) B152(53.75,50.6) B153(54.25,45.4) B154(54.25,50.6) B155(54.75,45.4) B156(54.75,50.6) B157(55.25,45.4) B158(55.25,50.6) B159(55.75,45.4) B160(55.75,50.6) B161(56.25,45.4) B162(56.25,50.6) B163(56.75,45.4) B164(56.75,50.6) B165(57.25,45.4) B166(57.25,50.6) B167(57.75,45.4) B168(57.75,50.6)
  rect 1.1x0.25 smd: C1(1.6,47.75) C2(6.8,47.75) C3(1.6,47.25) C4(6.8,47.25) C5(1.6,46.75) C6(6.8,46.75) C7(1.6,46.25) C8(6.8,46.25) C9(1.6,45.75) C10(6.8,45.75) C11(1.6,45.25) C12(6.8,45.25) C13(1.6,44.75) C14(6.8,44.75) C15(1.6,44.25) C16(6.8,44.25) C17(1.6,43.75) C18(6.8,43.75) C19(1.6,43.25) C20(6.8,43.25) C21(1.6,42.75) C22(6.8,42.75) C23(1.6,42.25) C24(6.8,42.25) C25(1.6,41.75) C26(6.8,41.75) C27(1.6,41.25) C28(6.8,41.25) C29(1.6,40.75) C30(6.8,40.75) C31(1.6,40.25) C32(6.8,40.25) C33(1.6,39.75) C34(6.8,39.75) C35(1.6,39.25) C36(6.8,39.25) C37(1.6,38.75) C38(6.8,38.75) C39(1.6,38.25) C40(6.8,38.25) C41(1.6,37.75) C42(6.8,37.75) C43(1.6,37.25) C44(6.8,37.25) C45(1.6,36.75) C46(6.8,36.75) C47(1.6,36.25) C48(6.8,36.25) C49(1.6,35.75) C50(6.8,35.75) C51(1.6,35.25) C52(6.8,35.25) C53(1.6,34.75) C54(6.8,34.75) C55(1.6,34.25) C56(6.8,34.25) C57(1.6,33.75) C58(6.8,33.75) C59(1.6,33.25) C60(6.8,33.25) C61(1.6,32.75) C62(6.8,32.75) C63(1.6,32.25) C64(6.8,32.25) C65(1.6,31.75) C66(6.8,31.75) C67(1.6,31.25) C68(6.8,31.25) C69(1.6,30.75) C70(6.8,30.75) C71(1.6,30.25) C72(6.8,30.25) C73(1.6,29.75) C74(6.8,29.75) C75(1.6,29.25) C76(6.8,29.25) C77(1.6,28.75) C78(6.8,28.75) C79(1.6,28.25) C80(6.8,28.25) C81(1.6,27.75) C82(6.8,27.75) C83(1.6,27.25) C84(6.8,27.25) C85(1.6,26.75) C86(6.8,26.75) C87(1.6,26.25) C88(6.8,26.25) C89(1.6,25.75) C90(6.8,25.75) C91(1.6,25.25) C92(6.8,25.25) C93(1.6,24.75) C94(6.8,24.75) C95(1.6,24.25) C96(6.8,24.25) C97(1.6,23.75) C98(6.8,23.75) C99(1.6,23.25) C100(6.8,23.25) C101(1.6,22.75) C102(6.8,22.75) C103(1.6,22.25) C104(6.8,22.25) C105(1.6,21.75) C106(6.8,21.75) C107(1.6,21.25) C108(6.8,21.25) C109(1.6,20.75) C110(6.8,20.75) C111(1.6,20.25) C112(6.8,20.25) C113(1.6,19.75) C114(6.8,19.75) C115(1.6,19.25) C116(6.8,19.25) C117(1.6,18.75) C118(6.8,18.75) C119(1.6,18.25) C120(6.8,18.25) C121(1.6,17.75) C122(6.8,17.75) C123(1.6,17.25) C124(6.8,17.25) C125(1.6,16.75) C126(6.8,16.75) C127(1.6,16.25) C128(6.8,16.25) C129(1.6,15.75) C130(6.8,15.75) C131(1.6,15.25) C132(6.8,15.25) C133(1.6,14.75) C134(6.8,14.75) C135(1.6,14.25) C136(6.8,14.25) C137(1.6,13.75) C138(6.8,13.75) C139(1.6,13.25) C140(6.8,13.25) C141(1.6,12.75) C142(6.8,12.75) C143(1.6,12.25) C144(6.8,12.25) C145(1.6,11.75) C146(6.8,11.75) C147(1.6,11.25) C148(6.8,11.25) C149(1.6,10.75) C150(6.8,10.75) C151(1.6,10.25) C152(6.8,10.25) C153(1.6,9.75) C154(6.8,9.75) C155(1.6,9.25) C156(6.8,9.25) C157(1.6,8.75) C158(6.8,8.75) C159(1.6,8.25) C160(6.8,8.25) C161(1.6,7.75) C162(6.8,7.75) C163(1.6,7.25) C164(6.8,7.25) C165(1.6,6.75) C166(6.8,6.75) C167(1.6,6.25) C168(6.8,6.25)
  silkscreen extent 1.25,2.15 61.85,51.85, body extent 0.1,0 73.9,54, height 10.01